# Altium PCB Power Distribution Board Rev6.PcbDoc (part 2 of 2)
Units mil, origin at the board's own origin, x right, y up, seen from the top; angles counter-clockwise.
Board outline 4527.56 x 4527.56 mil, 4 copper layers (Top Layer, L2-Ground, L3-Ground, Bottom Layer), stack 62.449 mil thick; 199 components, 106 nets, 617 pads, 267 vias.
Unrouted connection lines stored in the file: 1.
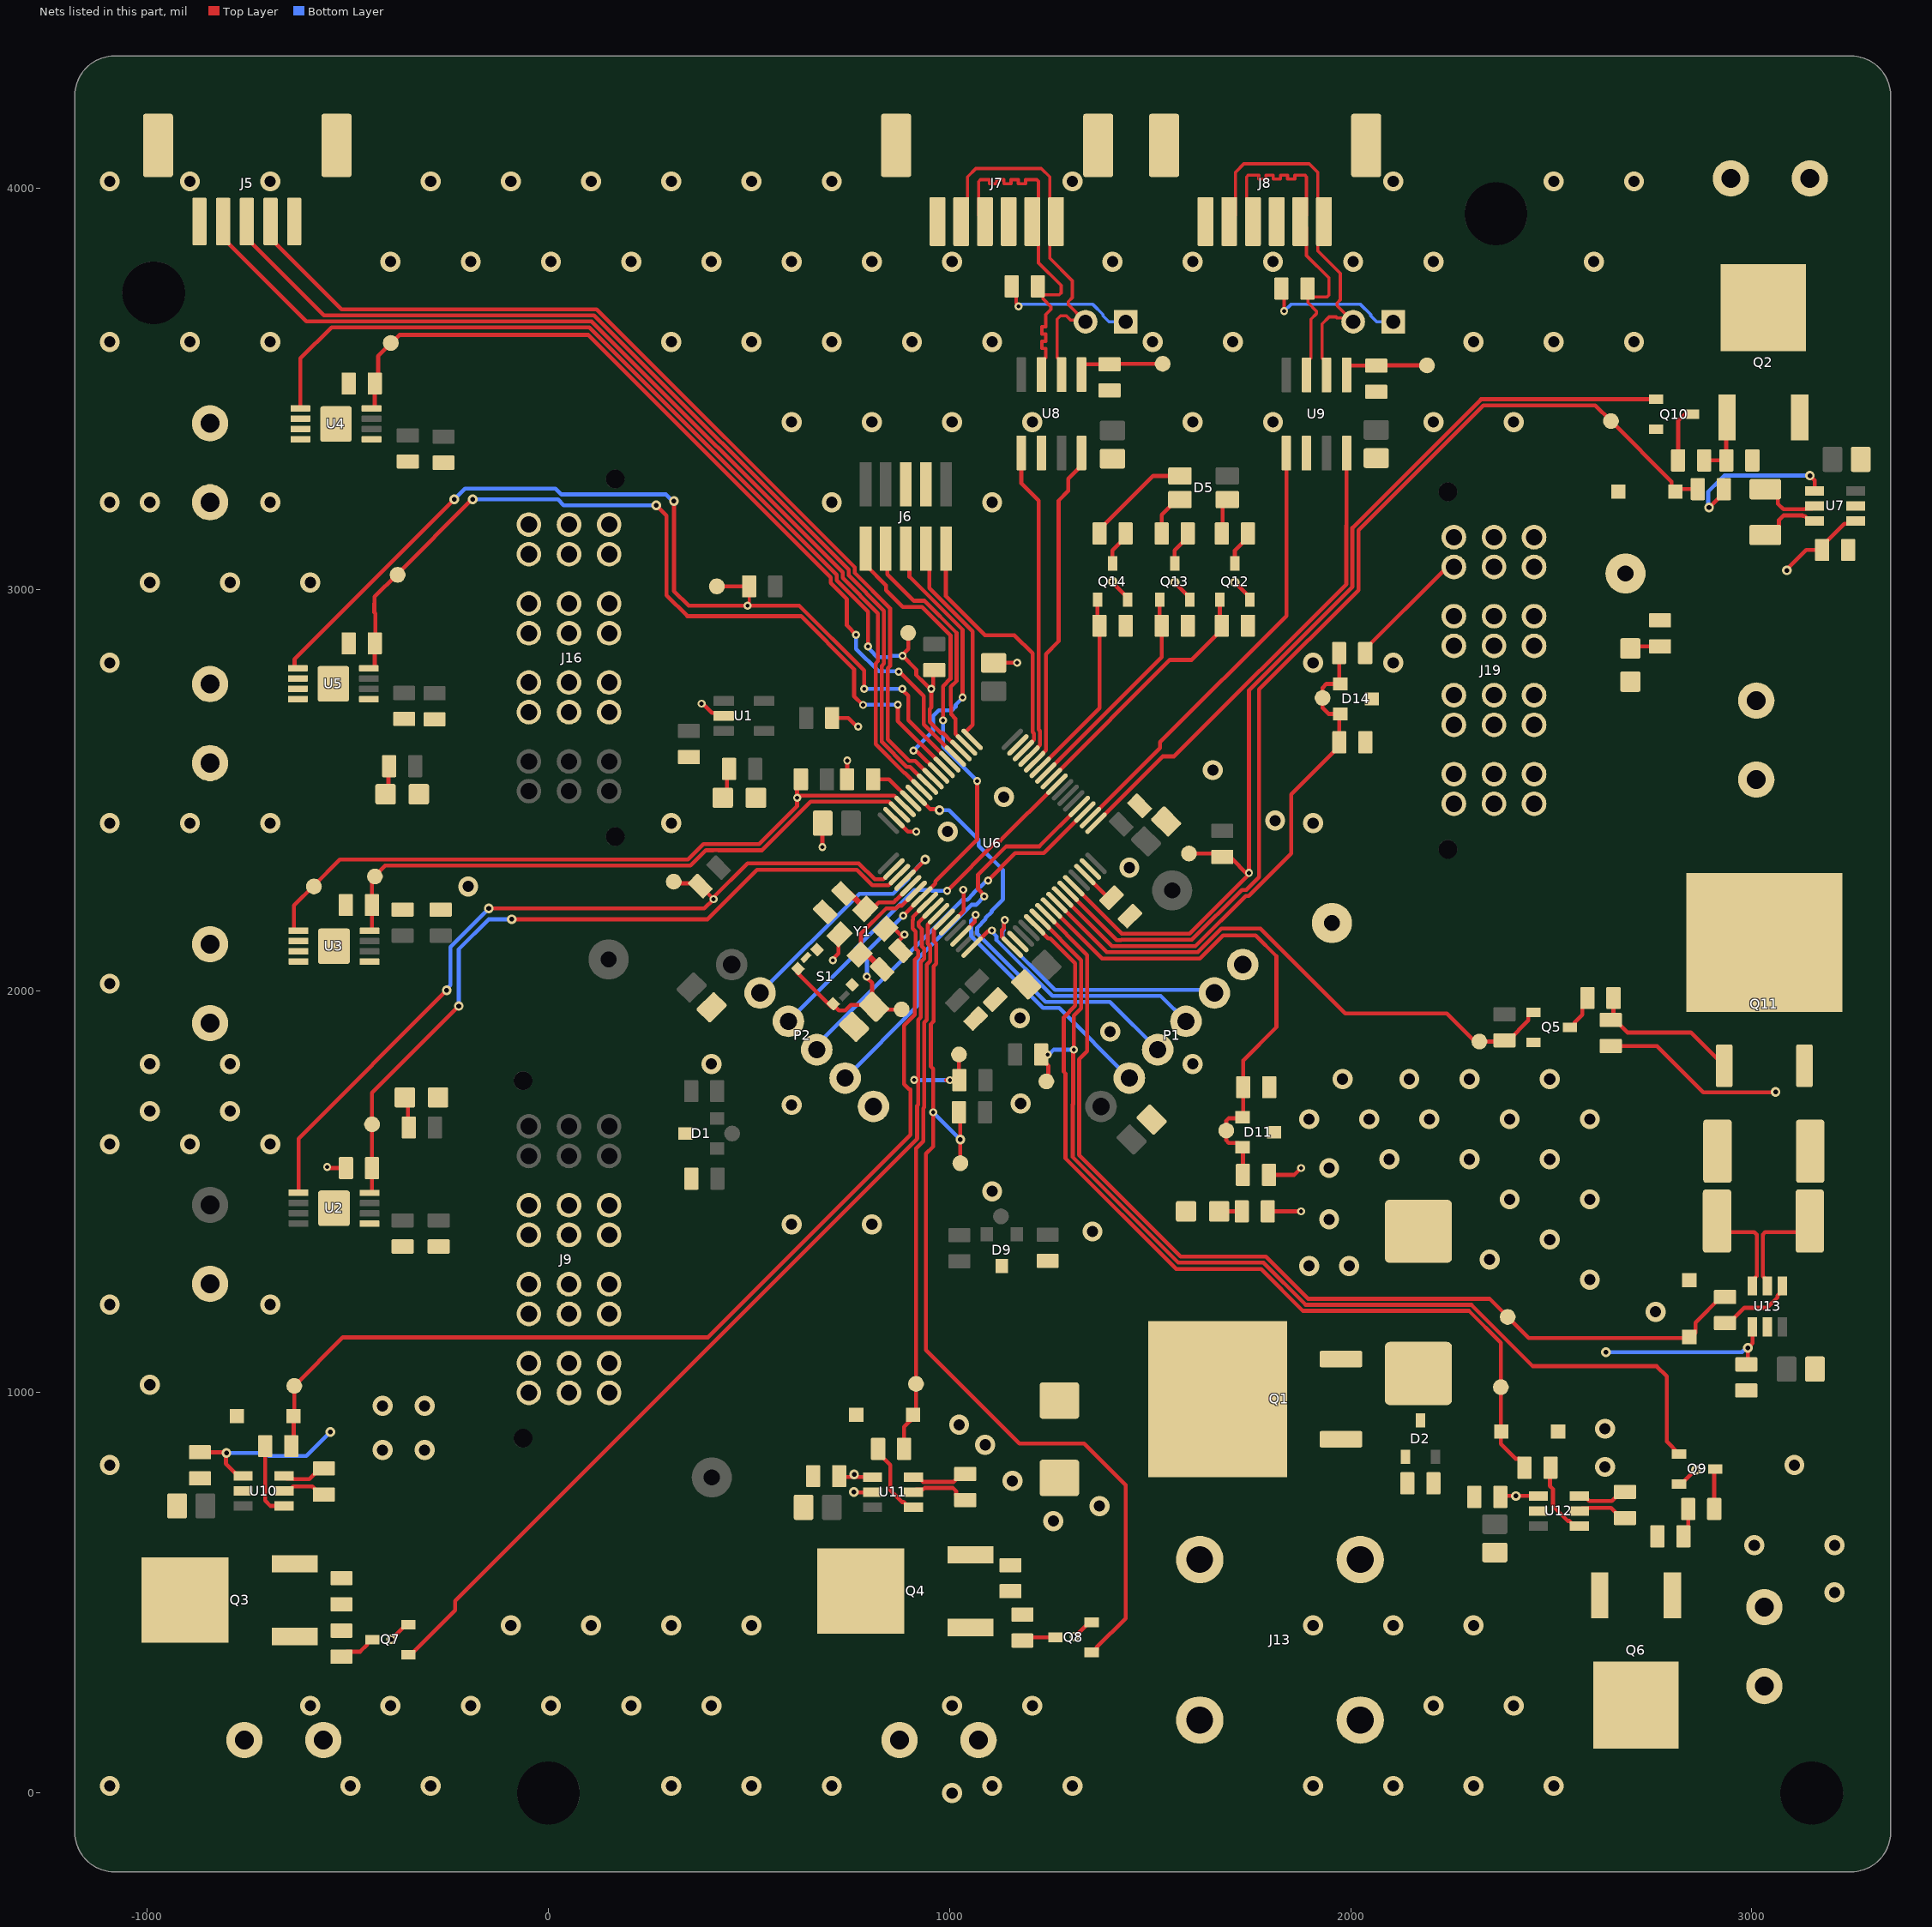
[diagram p4: the nets of this part, all layers, seen from the top]

## Via types
v1: diameter 50, hole 28, Top Layer to Bottom Layer, tented both sides, 162 vias
v2: diameter 20, hole 10, Top Layer to Bottom Layer, tented both sides, 67 vias
v3: diameter 24, hole 12, Top Layer to Bottom Layer, tented both sides, 36 vias
v4: diameter 24, hole 12, Top Layer to Bottom Layer, 2 vias

## Nets (pads, with @x,y where several pads share a name; then routed paths per layer and width w, separated by ;. In a path a pad name is that pad's centre, name@x,y a point inside that pad or via, vN(x,y) a via of type N, cw(c..) or ccw(c..) an arc to the next point about the centre after c; other vN are vias at no path point) (continued)
5V_lOAD1_1_EN: "TP 1.1" R34.2 U2.4 U6.3 | length 1909.4
  Top Layer w10: U2.4@-446,1496.21 -442.71,1496.21 -439.83,1499.08 -439.83,1745.87 v3(-223.7,1962) ; v3(-91.7,2178.24) 396.89,2178.24 520.24,2301.58 768.5,2301.58 807.27,2262.82 847.8,2262.82 874.75,2289.77 U6.3@875.24,2289.77
  Bottom Layer w10: v3(-223.7,1962) -223.7,2103.24 -148.7,2178.24 v3(-91.7,2178.24)
5V_lOAD1_1_N_OC: "TP 5.1" R4.1 U2.5 U6.2 | length 2113.8
  Top Layer w10: U2.5@-631.34,1499.48 -628.46,1496.6 U2.5@-623.17,1496.6 -623.17,1631.53 v3(-253.7,2001) ; v3(-148.7,2205.24) 388.53,2205.24 v2(411.56,2228.26) ; 312.3,2272 316.31,2267.99 371.37,2267.99 R4.1@378.33,2261.03 378.79,2261.03 409.28,2230.54 496.35,2317.61 773.69,2317.61 813.48,2277.82 834.96,2277.82 860.83,2303.69 U6.2@861.32,2303.69
  Bottom Layer w10: v3(-253.7,2001) -253.7,2004.79 -244.7,2013.79 -244.7,2109.24 v3(-148.7,2205.24)
5V_LOAD1_2: J2.1 U3.6 U3.7 U3.8
5V_lOAD1_2_EN: "TP 2.1" R38.2 U3.4 U6.62 | length 1540.4
  Top Layer w10: U3.4@-446.17,2149.4 -442.87,2149.4 -440,2152.27 R38.2@-440,2213.7 -440,2223.55 -440,2279.28 -407.28,2312 353.98,2312 392.33,2350.35 410.28,2350.35 410.82,2350.88 423.79,2350.88 424.33,2350.35 532.46,2350.35 653.65,2471.53 848.88,2471.53 874.75,2445.66 U6.62@875.24,2445.66
5V_lOAD1_2_N_OC: "TP 6.1" R5.1 U3.5 U6.61 | length 1782.7
  Top Layer w10: U3.5@-623.33,2149.79 -631.62,2149.79 -634.49,2152.67 -634.49,2212.73 -585.96,2261.26 -520.23,2327 347.77,2327 386.65,2365.88 525.42,2365.88 619.98,2460.44 v2(619.98,2481.15) ; R5.1@629.42,2527.15 619.98,2517.71 v2(619.98,2481.15) ; U6.61@889.16,2459.58 888.67,2459.58 861.72,2486.53 626.98,2486.53 621.6,2481.15 v2(619.98,2481.15)
5V_LOAD2_1: J4.1 U4.6 U4.7 U4.8
5V_lOAD2_1_EN: "TP 3.1" R36.2 U4.4 U6.52 | length 2145.3
  Top Layer w10: U4.4@-441.1,3451.38 -435.89,3451.38 -433.02,3454.25 R36.2@-433.02,3513.83 -424.7,3522.15 -424.7,3582 -371.7,3635 99.3,3635 703.4,3030.9 703.4,3016.91 743.98,2976.33 743.98,2910.71 v2(767,2887.69) ; v2(873.27,2795.53) 874.52,2795.53 935.43,2734.62 935.43,2663.86 U6.52@1014.43,2584.86
  Bottom Layer w10: v2(767,2887.69) 767.07,2887.62 767.07,2852.38 823.3,2796.15 872.65,2796.15 v2(873.27,2795.53)
5V_lOAD2_1_N_OC: "TP 7.1" R6.1 U4.5 U6.51 | length 2478.9
  Top Layer w10: U4.5@-618.27,3451.77 -618.27,3576.43 -540.7,3654 101.51,3654 718.4,3037.11 718.4,3023.12 796.6,2944.92 v2(796.6,2858.21) ; 896.9,2892.17 896.9,2851.87 882.9,2837.87 v2(882.9,2835.17) 916.99,2801.07 916.99,2787.17 937.42,2766.73 937.96,2766.73 951.75,2752.94 v2(954.46,2752.94) ; R6.1@961.9,2799.45 958.96,2796.51 958.96,2757.44 v2(954.46,2752.94) ; U6.51@1028.35,2598.78 1027.86,2598.78 1006.08,2620.56 1005.46,2620.56 983.52,2642.51 977.99,2642.51 950.43,2670.08 950.43,2702.48 954.46,2706.51 v2(954.46,2752.94)
  Bottom Layer w10: v2(796.6,2858.21) 796.6,2855.5 803.01,2849.09 803.01,2848.54 819.62,2831.93 848.29,2831.93 851.52,2835.17 v2(882.9,2835.17)
5V_LOAD2_2: J3.1 U5.6 U5.7 U5.8
5V_lOAD2_2_EN: "TP 4.1" R37.2 U5.4 U6.54 | length 2170.6
  Top Layer w10: U5.4@-447.57,2803.59 -435.89,2803.59 -433.02,2806.46 R37.2@-433.02,2866.05 -431.72,2867.34 -431.72,2940.72 -434,2943 -434,2964.73 -433.62,2965.11 -433.62,2982.08 -377.35,3038.35 -190.7,3225 v3(-188.7,3225) ; v3(268.9,3210.24) 294.3,3184.84 294.3,2986 346.3,2934 629.93,2934 761.9,2802.03 761.9,2734.96 v2(784.31,2712.55) ; v2(870.9,2713.21) 870.9,2672.71 U6.54@986.59,2557.02
  Bottom Layer w10: v3(-188.7,3225) 23.4,3225 38.16,3210.24 v3(268.9,3210.24) ; v2(784.31,2712.55) 784.97,2713.21 v2(870.9,2713.21)
5V_lOAD2_2_N_OC: "TP 10.1" R7.1 U5.5 U6.53 | length 2447
  Top Layer w8: v2(496.3,2960) 496.3,2963.25 500.42,2967.37 R7.1@500.42,3008.15
  Top Layer w10: U5.5@-624.74,2803.98 -630.2,2803.98 -633.07,2806.85 -633.07,2826.63 v3(-234.7,3225) ; v3(312.9,3221) 312.9,2996.65 349.55,2960 v2(496.3,2960) 625.14,2960 786.9,2798.25 v2(786.9,2752.94) ; 419.71,3008.15 R7.1@500.42,3008.15 ; v2(882.33,2752.37) 882.33,2749.66 896.9,2735.09 896.9,2674.55 U6.53@1000.51,2570.94
  Bottom Layer w10: v3(-234.7,3225) -207.7,3252 17.61,3252 32.37,3237.24 253.9,3237.24 254.19,3237.54 264.96,3237.54 265.25,3237.24 292.86,3237.24 309.11,3221 v3(312.9,3221) ; v2(786.9,2752.94) 787.18,2752.65 882.04,2752.65 v2(882.33,2752.37)
17V: C30.2 J19.4 R22.2 R32.1 R46.2 TP5.1 U7.3 U7.4 | length 690.9
  Top Layer w10: R22.2@2036.13,2841.9 2036.13,2851.74 2231.24,3046.85 2247.46,3046.85 J19.4@2257.3,3056.68 ; R32.1@3047.27,3136.37 3067.85,3156.95 3067.85,3174.08 3078.66,3184.89 3126.61,3184.89 3127.74,3183.76 3132.35,3183.76 3144.93,3171.17 U7.3@3156.75,3171.17 ; v3(3087.7,3048.1) 3087.7,3050.81 3135.89,3099 C30.2@3175.45,3099 3175.45,3108.84 3230.97,3164.36 3252.3,3164.36 U7.4@3259.11,3171.17
17V_ADC_INPUT: "TP 12.1" D14.1 D14.2 R22.1 R24.2 U6.26 | length 1342.3
  Top Layer w10: U6.26@1281.68,2234.09 1404.62,2111.15 1612.9,2111.15 1738.4,2236.65 1746.14,2236.65 1851.64,2342.16 1851.64,2489.63 1971.81,2609.79 R24.2@1971.81,2619.64 1971.81,2687.97 D14.2@1974.15,2690.31 1944.74,2690.31 1929.9,2705.15 1929.9,2755.15 1939.86,2765.11 D14.1@1974.15,2765.11 1971.17,2768.09 R22.1@1971.17,2841.9
17V_LOAD: Q2.3 R18.2 R32.2 U7.2 | length 156.8
  Top Layer w10: R32.2@3033.55,3250.54 3044.56,3250.54 3065.14,3229.96 3065.14,3213.89 3078.66,3200.37 3132.27,3200.37 3133.65,3201.76 3149.93,3201.76 U7.2@3156.75,3208.57
17V_LOAD_CURRENT: "TP 13.1" D8.1 R48.2 U6.27 | length 2634.6
  Top Layer w10: U6.27@1295.6,2248.01 1295.6,2247.52 1416.97,2126.15 1423.97,2126.15 1427.45,2126.15 1428.57,2127.27 1604.23,2127.27 1728.61,2251.65 1739.92,2251.65 1771.64,2283.37 1771.64,2751.35 2019.3,2999 2019.3,3147.79 2331.06,3459.55 2609.75,3459.55 2649,3420.3 2799.91,3269.39 2799.91,3255.26 2811.16,3244 2817.71,3250.54 R48.2@2865.51,3250.54
17V_LOAD_EN: "TP 11.1" Q10.1 R49.1 U6.28 | length 2573.8
  Top Layer w10: U6.28@1309.52,2261.93 1429.18,2142.27 1598.02,2142.27 1692.4,2236.65 1741.64,2285.9 1741.64,2286.02 1746.64,2291.02 v2(1746.64,2293.72) 1746.64,2749.58 2004.3,3007.23 2004.3,3154 2324.85,3474.55 Q10.1@2761.02,3474.55 ; 1596.9,2342.15 1671.42,2342.15 R49.1@1679.9,2333.67 1696.36,2333.41 1700.41,2333.35 1703.34,2330.43 v2@1741.64,2290.92
ADC123_1: P1.3 U6.59 | length 1057
  Top Layer w10: U6.59@916.99,2487.42 917.48,2487.42 952.09,2452.82 972.27,2452.82 v3(974.95,2450.14)
  Bottom Layer w10: v3(974.95,2450.14) 975.09,2450 998.94,2450 1072.49,2376.44 1072.49,2361.51 1133,2301 1133,2227.53 1105.29,2199.82 1105.29,2197.11 1089.91,2181.73 1089.91,2178.37 1068.9,2157.36 1068.9,2142.25 1239,1972.15 1399.9,1972.15 P1.3@1518.9,1853.15
ADC123_2: P1.4 U6.16 | length 651.6
  Top Layer w10: U6.16@1056.19,2108.81 1095.91,2148.54 1103.43,2148.54 v2(1105.34,2150.45)
  Bottom Layer w10: v2(1105.34,2150.45) 1105.34,2147.75 1116.9,2136.19 1116.9,2126.78 1256.52,1987.15 1526.32,1987.15 P1.4@1589.61,1923.86
ADC123_3: P1.5 U6.17 | length 712.1
  Top Layer w10: v2(1137.53,2176.14) 1135.61,2174.22 1135.61,2156.51 1130.91,2151.82 1130.91,2149.96 1130.54,2149.59 1130.54,2135.17 1156.41,2109.3 U6.17@1156.41,2108.81
  Bottom Layer w10: v2(1137.53,2176.14) 1135.61,2174.22 1135.61,2151.52 1131.9,2147.8 1131.9,2133.15 1262.9,2002.15 1652.74,2002.15 P1.5@1660.32,1994.57
ADC123_4: P2.2 U6.4 | length 624.4
  Top Layer w10: U6.4@889.16,2275.85 889.16,2276.34 939.3,2326.48 v3(939.3,2327)
  Bottom Layer w10: P2.2@527.48,1994.57 774.91,2242 859.3,2242 897.96,2280.66 897.96,2285.66 v3(939.3,2327)
CANA_N: H1.2 J7.1 J7.5 U8.6 | length 978.2
  Top Layer w8: J7.5@1029.13,3917.72 1044.66,3933.24 1044.66,4028.91 1065.75,4050 1228.74,4050 1249.83,4028.91 1249.83,3933.24 J7.1@1265.35,3917.72 1249.83,3902.19 1249.83,3826.4 1306.27,3769.95 1306.27,3728.26 1295.73,3717.72 1295.73,3711.09 H1.2@1335.09,3671.73 ; U8.6@1279.04,3535.9 1279.04,3567.4 1268.04,3578.4 1268.04,3674.26 1276.62,3682.84 1291.15,3682.84 1302.26,3671.73 H1.2@1335.09,3671.73 ; H1.2@1339.1,3667.72 H1.2@1335.09,3671.73
CANA_P: J7.2 J7.4 R14.2 U8.7 | length 963
  Top Layer w8: J7.4@1088.19,3917.72 1072.66,3933.24 1072.66,4017.31 1077.35,4022 1099.35,4022 1099.35,4012 1117.35,4012 1117.35,4022 1135.35,4022 1135.35,4012 1153.35,4012 1153.35,4022 1171.35,4022 1171.35,4012 1189.35,4012 1189.35,4022 1217.14,4022 1221.53,4017.61 1221.83,4017.31 1221.83,3933.24 J7.2@1206.3,3917.72 1221.83,3902.19 1221.83,3814.8 1278.27,3758.35 1278.27,3739.86 1273.59,3735.17 R14.2@1233.58,3735.17 ; R14.2@1219.86,3756.07 1219.86,3746.23 1233.12,3732.97 1233.12,3724.64 1252.66,3705.1 1252.66,3698.47 1240.04,3685.85 1240.04,3667.72 1240.04,3655.2 1230.04,3655.2 1230.04,3637.2 1240.04,3637.2 1240.04,3619.2 1230.04,3619.2 1230.04,3601.2 1240.04,3601.2 1240.04,3597.2 1240.04,3578.4 1229.04,3567.4 U8.7@1229.04,3535.9
CANB_N: H2.2 J8.1 J8.5 U9.6 | length 988.6
  Top Layer w8: J8.5@1697.24,3917.72 1712.77,3933.24 1712.77,4040.43 1733.86,4061.52 1896.85,4061.52 1917.94,4040.43 1917.94,3933.24 J8.1@1933.46,3917.72 1917.94,3902.19 1917.94,3844.69 1974,3788.63 1974,3722.74 1965.95,3714.69 1965.95,3708.07 H2.2@1996.53,3677.48 ; U9.6@1939.87,3535.06 1939.87,3566.55 1928.87,3577.55 1928.87,3662.42 1946.48,3680.03 1963.33,3680.03 1965.87,3677.48 H2.2@1996.53,3677.48 ; H2.2@2006.3,3667.72 H2.2@1996.53,3677.48
CANB_P: J8.2 J8.4 R16.2 U9.7 | length 954.2
  Top Layer w8: J8.4@1756.3,3917.72 1740.77,3933.24 1740.77,4028.83 1745.46,4033.52 1748.9,4033.52 1770.9,4033.52 1770.9,4023.52 1788.9,4023.52 1788.9,4033.52 1806.9,4033.52 1806.9,4023.52 1824.9,4023.52 1824.9,4033.52 1842.9,4033.52 1842.9,4023.52 1860.9,4023.52 1860.9,4033.52 1875.66,4033.52 1885.25,4033.52 1889.94,4028.83 1889.94,3933.24 J8.2@1874.41,3917.72 1889.94,3902.19 1889.94,3833.09 1946,3777.03 1946,3734.34 1941.31,3729.65 R16.2@1906.15,3729.65 ; U9.7@1889.87,3535.06 1889.87,3566.55 1900.87,3577.55 1900.87,3674.02 1914.58,3687.73 1914.58,3694.36 1893.26,3715.68 R16.2@1893.26,3739.88 ; R16.2@1892.43,3750.55 1892.43,3740.71 R16.2@1893.26,3739.88 ; R16.2@1904.82,3728.32 R16.2@1893.26,3739.88
GND: C1.1 C2.1 C3.1 C4.1 C5.1 C6.1 C7.1 C8.1 C9.1 C10.1 C11.1 C12.1 C13.1 C14.1 C15.1 C16.2 C17.2 C18.1 C19.1 C21.1 C22.1 C23.1 C24.1 C25.1 C26.1 C27.1 C28.1 C29.1 C30.1 C31.1 C32.1 C33.1 C34.1 C35.1 C37.1 D1.3 D3.1 D4.2 D6.2 D7.2 D8.2 D9.3 D10.2 D11.3 D12.2 D13.2 D14.3 D15.2 D16.2 D17.2 GND.1 J1.2 J2.2 J3.2 J4.2 J5.0 J5.1 J5.5 J6.3 J6.5 J7.0 J7.3 J7.6 J8.0 J8.3 J8.6 J9.2 J9.3 J10.2 J11.2 J12.2 J13.2 J14.2 J15.2 J16.2 J16.3 J19.2 J19.3 P1.6 P2.6 Q5.2 Q7.2 Q8.2 Q9.2 Q10.2 Q12.2 Q13.2 Q14.2 R2.1 R12.1 R15.2 R17.2 R21.1 R24.1 R25.1 R27.1 R34.1 R36.1 R37.1 R38.1 R57.2 R58.2 R59.2 S1.1 S1.2 S1.5 U1.2 U2.1 U2.9 U3.1 U3.9 U4.1 U4.9 U5.1 U5.9 U6.12 U6.18 U6.31 U6.47 U6.63 U7.5 U8.2 U9.2 U10.5 U11.5 U12.5 U13.5 Y1.2 Y1.4 | length 1099.2
  Top Layer w10: v2(-551.7,1561) -549.7,1561 -546.64,1557.94 R34.1@-504.79,1557.94 ; v3(-392.13,383.16) -391.56,383.16 -354.67,420.04 Q7.2@-348.77,420.04 ; v2(381.62,2715.92) 383.94,2715.92 407.38,2692.47 429.5,2692.47 U1.2@436.9,2685.07 ; v2(682.84,2358.15) 682.84,2417.01 C14.1@683.66,2417.83 ; v2(709.15,2076.21) 709.15,2078.92 723.24,2093 723.24,2137.43 Y1.4@726.02,2140.22 ; C2.1@710.13,2680.15 747.21,2680.15 768.6,2658.76 v2(772.38,2658.76) ; R12.1@744.42,2527.15 745.03,2527.76 v2(745.03,2573.78) ; v3(761.46,750.35) 762.58,749.23 806.59,749.23 U11.5@807.72,750.35 ; Y1.2@840.16,2154.14 862.65,2154.14 878.04,2138.75 886.33,2138.75 v2(887.8,2140.22) 887.8,2138.98 872.02,2123.2 872.02,2105.22 C16.2@877.72,2099.52 ; U6.63@861.32,2431.75 861.81,2431.75 896.61,2396.95 v2(916.99,2396.95) ; U6.12@1000.51,2164.49 1035.31,2199.29 1035.31,2250.66 v2(1034,2251.96) ; C13.1@1109.9,2817.38 1110.23,2817.72 v2(1168.37,2817.72) ; v3(1311.3,390) 1312.73,390 1348.27,425.53 Q8.2@1354.17,425.53 ; v3(1406.3,3020) 1406.3,3018.03 1443.7,2980.63 Q14.2@1443.7,2974.72 ; v3(1561.3,3018.03) 1598.7,2980.63 Q13.2@1598.7,2974.72 ; v3(1711.3,3018.03) 1748.7,2980.63 Q12.2@1748.7,2974.72 ; Q9.2@2818.62,770.75 2824.53,770.75 2859.13,805.35 v3(2861.07,805.35)
  other v1: 1006.3,0 -1093.7,17.72 -493.7,17.72 -293.7,17.72 306.3,17.72 506.3,17.72 706.3,17.72 1106.3,17.72 1306.3,17.72 1906.3,17.72 2106.3,17.72 2306.3,17.72 2506.3,17.72 -593.7,217.72 -393.7,217.72 -193.7,217.72 6.3,217.72 206.3,217.72 406.3,217.72 1006.3,217.72 1206.3,217.72 2206.3,217.72 2406.3,217.72 -93.7,417.72 106.3,417.72 306.3,417.72 506.3,417.72 1906.3,417.72 2106.3,417.72 2306.3,417.72 3206.3,500 3006.3,617.72 3206.3,617.72 1258.9,678.15 1373.76,715.58 1156.81,778.15 -1093.7,817.72 3106.3,817.72 -993.7,1017.72 2760,1199.85 -1093.7,1217.72 -693.7,1217.72 1356.3,1400 606.3,1417.72 806.3,1417.72 1106.3,1500 -1093.7,1617.72 -893.7,1617.72 -693.7,1617.72 -993.7,1700 -793.7,1700 606.3,1715.21 1177.3,1719 -993.7,1817.72 -793.7,1817.72 406.3,1817.72 1606.3,1817.72 1400.3,1898 1175.3,1932 -1093.7,2017.72 -200,2260 1448.3,2307 995.42,2396.95 -1093.7,2417.72 -893.7,2417.72 -693.7,2417.72 306.3,2417.72 1906.3,2417.72 1811.64,2424.22 1135.3,2483 1656.3,2550 -1093.7,2817.72 1906.3,2817.72 2106.3,2817.72 -993.7,3017.72 -793.7,3017.72 -593.7,3017.72 -1093.7,3217.72 -993.7,3217.72 -693.7,3217.72 706.3,3217.72 1106.3,3217.72 606.3,3417.72 806.3,3417.72 1006.3,3417.72 1206.3,3417.72 1606.3,3417.72 1806.3,3417.72 2206.3,3417.72 2406.3,3417.72 -1093.7,3617.72 -893.7,3617.72 -693.7,3617.72 306.3,3617.72 506.3,3617.72 706.3,3617.72 906.3,3617.72 1106.3,3617.72 1506.3,3617.72 1706.3,3617.72 2306.3,3617.72 2506.3,3617.72 2706.3,3617.72 -393.7,3817.72 -193.7,3817.72 6.3,3817.72 206.3,3817.72 406.3,3817.72 606.3,3817.72 806.3,3817.72 1006.3,3817.72 1406.3,3817.72 1606.3,3817.72 1806.3,3817.72 2006.3,3817.72 2206.3,3817.72 2606.3,3817.72 -1093.7,4017.72 -893.7,4017.72 -693.7,4017.72 -293.7,4017.72 -93.7,4017.72 106.3,4017.72 306.3,4017.72 506.3,4017.72 706.3,4017.72 1306.3,4017.72 2106.3,4017.72 2506.3,4017.72 2706.3,4017.72
JTDI: J6.8 U6.50 | length 600.1
  Top Layer w10: J6.8@840.9,3102.15 845.04,3098.01 845.04,3038.01 910.89,2972.16 937.46,2972.16 1017.46,2892.17 1017.46,2771.69 1003.35,2757.59 1003.35,2711.09 1003.87,2710.57 1003.87,2689.12 1014.7,2678.29 1014.7,2640.76 1042.27,2613.19 U6.50@1042.27,2612.7
JTDO/TRACESWO: J6.6 U6.55 | length 718.1
  Top Layer w10: J6.6@890.9,3102.15 900.04,3093.01 900.04,3032.15 1032.46,2899.73 v2(1032.46,2731.53) ; v2(909.86,2598.39) 911.39,2596.86 918.91,2596.86 U6.55@972.67,2543.1
  Bottom Layer w10: v2(909.86,2598.39) 958.52,2647.05 958.52,2684.46 973.16,2699.11 1006.01,2699.11 1015.37,2708.46 1015.37,2713.26 1032.46,2730.35 v2(1032.46,2731.53)
LED_B_n: Q14.1 R59.1 U6.43 | length 481
  Top Layer w10: U6.43@1226.01,2557.02 1373.82,2704.83 R59.1@1373.82,2910 1368.9,2914.92 Q14.1@1368.9,2974.72
LED_G_n: Q13.1 R58.1 U6.42 | length 553.3
  Top Layer w10: U6.42@1239.92,2543.1 1528.82,2831.99 R58.1@1528.82,2910 1523.9,2914.92 Q13.1@1523.9,2974.72
LED_MATRIX_B_PWM: J5.2 U6.56 | length 2458.6
  Top Layer w10: J5.2@-692.92,3917.72 -692.92,3876.38 -515.54,3699 120.15,3699 763.4,3055.75 763.4,3041.76 851.6,2953.56 851.6,2809.21 845.9,2803.5 845.9,2627 899.51,2573.39 914.54,2573.39 U6.56@958.75,2529.18
LED_MATRIX_G_PWM: J5.3 U6.57 | length 2509.5
  Top Layer w10: J5.3@-751.98,3917.72 -751.98,3876.38 -559.6,3684 113.94,3684 748.4,3049.54 748.4,3035.55 836.6,2947.34 836.6,2815.42 830.9,2809.72 830.9,2620.79 893.3,2558.39 901.7,2558.39 U6.57@944.83,2515.26
LED_MATRIX_R_PWM: J5.4 U6.58 | length 2560.4
  Top Layer w10: J5.4@-811.03,3917.72 -811.03,3876.38 -603.65,3669 107.72,3669 733.4,3043.33 733.4,3029.34 821.6,2941.13 821.6,2821.64 815.9,2815.93 815.9,2614.58 887.08,2543.39 888.87,2543.39 U6.58@930.91,2501.34
LED_R_n: Q12.1 R57.1 U6.41 | length 655.2
  Top Layer w10: U6.41@1253.84,2529.18 1549.66,2825 1603.66,2825 1678.82,2900.16 R57.1@1678.82,2910 1673.9,2914.92 Q12.1@1673.9,2974.72
NetC16_1: C16.1 U6.6 Y1.1 | length 305.8
  Top Layer w10: Y1.1@776.13,2090.11 778.92,2092.89 778.92,2141.9 842.19,2205.17 866.65,2205.17 873.83,2212.35 881.34,2212.35 U6.6@916.99,2248.01
  Top Layer w15: Y1.1@776.13,2090.11 795.26,2090.11 C16.1@831.79,2053.59
NetC17_1: C17.1 U6.5 Y1.3 | length 207.1
  Top Layer w10: Y1.3@790.05,2204.25 807.32,2204.25 823.25,2220.17 860.44,2220.17 867.62,2227.35 868.01,2227.35 902.58,2261.93 U6.5@903.07,2261.93